# KiCad board popstar_plateless_no_flex_cut.kicad_pcb
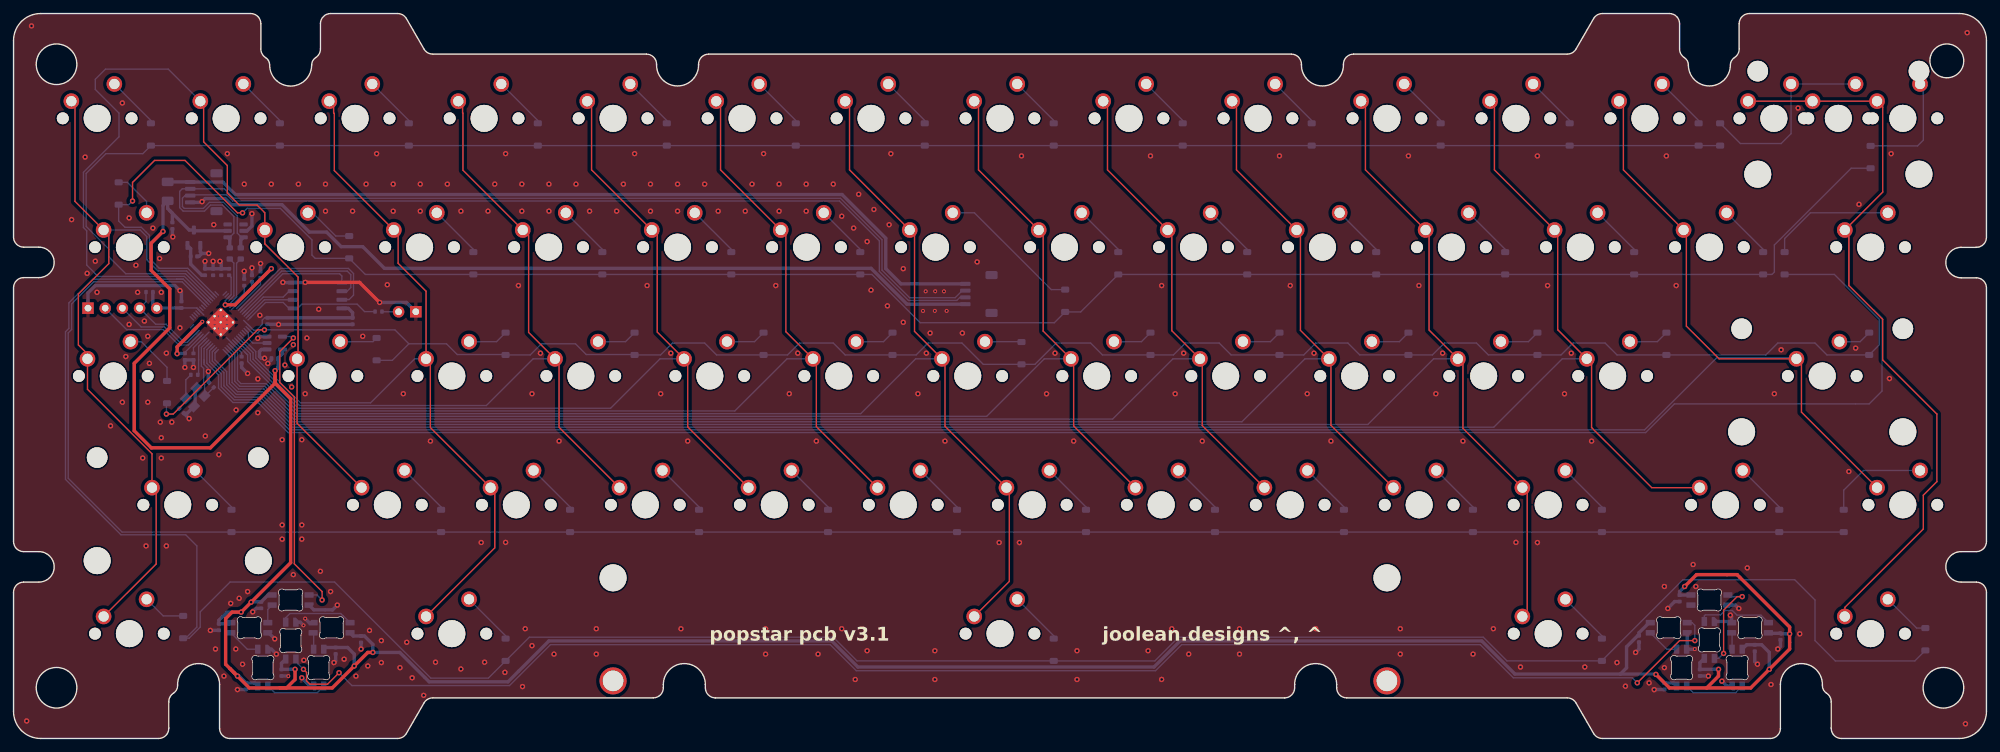
[diagram p0: board, top side]
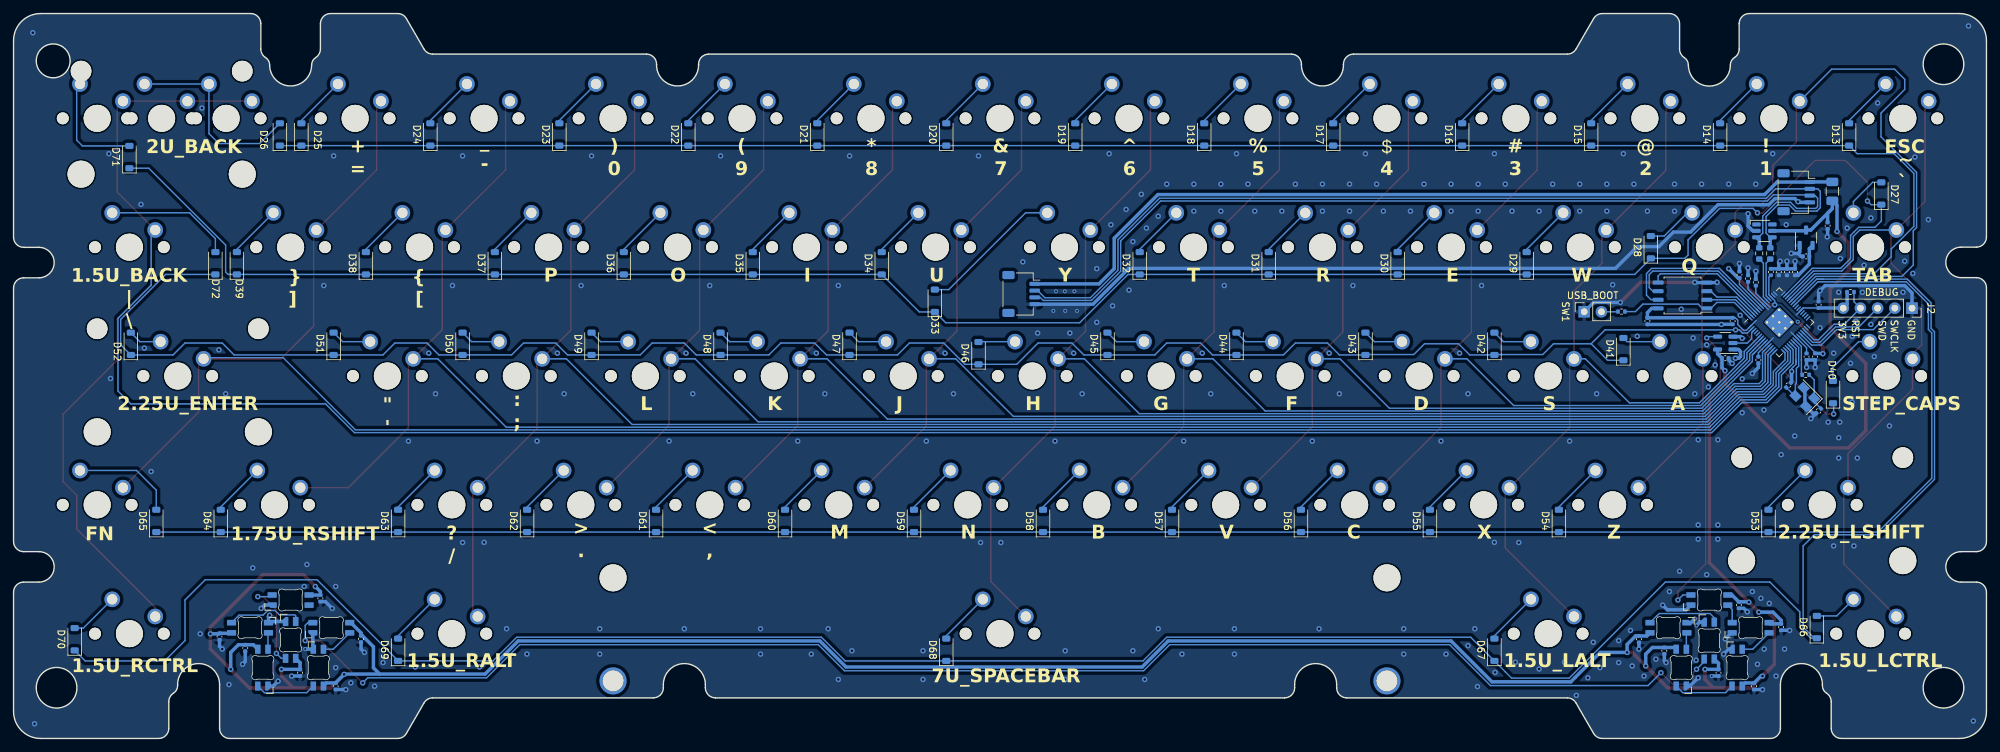
[diagram p1: board, bottom side, seen from below]

Outline 291.4 x 107.2 mm; copper layers: Top, Bottom. Coordinates in mm from the lower left corner of the outline.
Outline path: circle c6.35,7.5 r3 ; circle c6.35,99.7 r3 ; circle c285.05,7.5 r3 ; circle c285.55,100.2 r2.5 ; 0,4 0,21.63 arc(0.44,22.69) 1.5,23.13 3.75,23.13 arc(6,25.38) 3.75,27.63 1.5,27.63 arc(0.44,28.06) 0,29.13 0,66.65 arc(0.44,67.71) 1.5,68.15 3.75,68.15 arc(6,70.4) 3.75,72.65 1.5,72.65 arc(0.44,73.09) 0,74.15 0,103.2 arc(1.17,106.03) 4,107.2 35.03,107.2 arc(36.09,106.76) 36.53,105.7 36.53,101.95 arc(36.71,101.23) 37.23,100.69 arc(37.67,100.22) 37.83,99.59 arc(40.93,96.49) 44.03,99.59 arc(44.19,100.22) 44.63,100.69 arc(45.14,101.23) 45.33,101.95 45.33,105.7 arc(45.77,106.76) 46.83,107.2 56.73,107.2 arc(57.48,107) 58.03,106.45 60.62,101.95 arc(61.17,101.4) 61.92,101.2 93.47,101.2 arc(94.54,100.76) 94.97,99.7 94.97,99.59 arc(98.07,96.49) 101.17,99.59 101.17,99.7 arc(101.61,100.76) 102.67,101.2 188.73,101.2 arc(189.79,100.76) 190.23,99.7 190.23,99.59 arc(193.33,96.49) 196.43,99.59 196.43,99.7 arc(196.86,100.76) 197.93,101.2 229.48,101.2 arc(230.23,101.4) 230.78,101.95 233.37,106.45 arc(233.92,107) 234.67,107.2 244.57,107.2 arc(245.64,106.76) 246.07,105.7 246.07,101.95 arc(246.26,101.23) 246.77,100.69 arc(247.21,100.22) 247.37,99.59 arc(250.47,96.49) 253.57,99.59 arc(253.74,100.22) 254.18,100.69 arc(254.69,101.23) 254.87,101.95 254.87,105.7 arc(255.31,106.76) 256.37,107.2 287.4,107.2 arc(290.23,106.03) 291.4,103.2 291.4,74.12 arc(290.96,73.06) 289.9,72.62 287.65,72.62 arc(285.4,70.37) 287.65,68.12 289.9,68.12 arc(290.96,67.68) 291.4,66.62 291.4,29.13 arc(290.96,28.06) 289.9,27.63 287.65,27.63 arc(285.4,25.38) 287.65,23.13 289.9,23.13 arc(290.96,22.69) 291.4,21.63 291.4,4 arc(290.23,1.17) 287.4,0 269.97,0 arc(268.91,0.44) 268.47,1.5 268.47,5.44 arc(268.28,6.16) 267.77,6.7 arc(267.33,7.17) 267.17,7.8 267.17,7.97 arc(264.07,11.07) 260.97,7.97 260.97,1.5 arc(260.53,0.44) 259.47,0 234.67,0 arc(233.92,0.2) 233.37,0.75 230.78,5.25 arc(230.23,5.8) 229.48,6 196.92,6 arc(195.86,6.44) 195.42,7.5 195.42,7.97 arc(192.32,11.07) 189.22,7.97 189.22,7.5 arc(188.78,6.44) 187.72,6 103.68,6 arc(102.62,6.44) 102.18,7.5 102.18,7.97 arc(99.08,11.07) 95.98,7.97 95.98,7.5 arc(95.54,6.44) 94.48,6 61.92,6 arc(61.17,5.8) 60.62,5.25 58.03,0.75 arc(57.48,0.2) 56.73,0 31.93,0 arc(30.87,0.44) 30.43,1.5 30.43,7.97 arc(27.33,11.07) 24.23,7.97 24.23,7.8 arc(24.07,7.17) 23.63,6.7 arc(23.12,6.16) 22.93,5.44 22.93,1.5 arc(22.49,0.44) 21.43,0 4,0 arc(1.17,1.17) 0,4
Stack: Top 0.035mm / dielectric 1.51mm FR4 er 4.5 / Bottom 0.035mm

## Placement (name value [footprint] x y rotation side)
C1  1uF  [C_0402_1005Metric]  36.48 68.59 90 bottom
C2  100nF  [C_0402_1005Metric]  31.85 68.98 90 bottom
C3  100nF  [C_0402_1005Metric]  25.3 56.46 270 bottom
C4  10uF  [C_0402_1005Metric]  28.28 68.98 90 bottom
C5  1uF  [C_0402_1005Metric]  37.5 61.73 270 bottom
C6  100nF  [C_0402_1005Metric]  29.48 68.98 90 bottom
C7  100nF  [C_0402_1005Metric]  35.21 68.01 90 bottom
C8  100nF  [C_0402_1005Metric]  24.8 64.14 90 bottom
C9  100nF  [C_0402_1005Metric]  26.57 56.46 270 bottom
C10  100nF  [C_0402_1005Metric]  30.68 68.98 90 bottom
C11  100nF  [C_0402_1005Metric]  34.07 67.44 90 bottom
C12  100nF  [C_0402_1005Metric]  33.69 55.98 270 bottom
C13  22pF  [C_0402_1005Metric]  29.24 52.25 315 bottom
C14  22pF  [C_0402_1005Metric]  24.79 48.44 135 bottom
C15  1uF  [C_0402_1005Metric]  23.46 75.83 270 bottom
C16  1uF  [C_0402_1005Metric]  26.64 71.28 0 bottom
C17  100nF  [C_0402_1005Metric]  50.08 61.73 270 bottom
C18  100nF  [C_0402_1005Metric]  38.58 56.23 180 bottom
C19  100nF  [C_0402_1005Metric]  36.58 19.73 270 bottom
C20  100nF  [C_0402_1005Metric]  30.33 16.48 270 bottom
C21  100nF  [C_0402_1005Metric]  34.33 7.73 270 bottom
C22  100nF  [C_0402_1005Metric]  47.58 12.98 270 bottom
C23  100nF  [C_0402_1005Metric]  51.33 14.68 270 bottom
C24  100nF  [C_0402_1005Metric]  39.58 9.73 270 bottom
C25  100nF  [C_0402_1005Metric]  240.08 14.73 270 bottom
C26  100nF  [C_0402_1005Metric]  243.83 7.73 270 bottom
C27  100nF  [C_0402_1005Metric]  257.18 13.38 270 bottom
C28  100nF  [C_0402_1005Metric]  260.98 15.08 270 bottom
C29  100nF  [C_0402_1005Metric]  249.08 9.73 270 bottom
C30  100nF  [C_0402_1005Metric]  246.08 20.73 270 bottom
D1  SK6812MINI-E  [LED_6028R]  40.93 20.48 180 bottom
D2  SK6812MINI-E  [LED_6028R]  34.83 16.38 180 bottom
D3  SK6812MINI-E  [LED_6028R]  36.83 10.48 270 bottom
D4  SK6812MINI-E  [LED_6028R]  45.08 10.48 90 bottom
D5  SK6812MINI-E  [LED_6028R]  46.98 16.38 0 bottom
D6  SK6812MINI-E  [LED_6028R]  40.95 14.48 270 bottom
D7  SK6812MINI-E  [LED_6028R]  244.48 16.38 180 bottom
D8  SK6812MINI-E  [LED_6028R]  246.38 10.48 270 bottom
D9  SK6812MINI-E  [LED_6028R]  254.58 10.48 90 bottom
D10  SK6812MINI-E  [LED_6028R]  256.48 16.38 0 bottom
D11  SK6812MINI-E  [LED_6028R]  250.48 14.58 270 bottom
D12  SK6812MINI-E  [LED_6028R]  250.48 20.48 180 bottom
D13  D_Small  [D_SOD-123]  20.29 89.32 90 bottom
D14  D_Small  [D_SOD-123]  39.34 89.32 90 bottom
D15  D_Small  [D_SOD-123]  58.39 89.32 90 bottom
D16  D_Small  [D_SOD-123]  77.44 89.32 90 bottom
D17  D_Small  [D_SOD-123]  96.49 89.32 90 bottom
D18  D_Small  [D_SOD-123]  115.54 89.32 90 bottom
D19  D_Small  [D_SOD-123]  134.59 89.32 90 bottom
D20  D_Small  [D_SOD-123]  153.64 89.32 90 bottom
D21  D_Small  [D_SOD-123]  172.69 89.32 90 bottom
D22  D_Small  [D_SOD-123]  191.74 89.32 90 bottom
D23  D_Small  [D_SOD-123]  210.79 89.32 90 bottom
D24  D_Small  [D_SOD-123]  229.84 89.32 90 bottom
D25  D_Small  [D_SOD-123]  248.89 89.32 90 bottom
D26  D_Small  [D_SOD-123]  252.06 89.32 90 bottom
D27  D_Small  [D_SOD-123]  15.53 80.59 90 bottom
D28  D_Small  [D_SOD-123]  49.58 72.65 90 bottom
D29  D_Small  [D_SOD-123]  67.91 70.27 90 bottom
D30  D_Small  [D_SOD-123]  86.96 70.27 90 bottom
D31  D_Small  [D_SOD-123]  106.01 70.27 90 bottom
D32  D_Small  [D_SOD-123]  125.06 70.27 90 bottom
D33  D_Small  [D_SOD-123]  155.33 64.73 90 bottom
D34  D_Small  [D_SOD-123]  163.16 70.27 90 bottom
D35  D_Small  [D_SOD-123]  182.21 70.27 90 bottom
D36  D_Small  [D_SOD-123]  201.26 70.27 90 bottom
D37  D_Small  [D_SOD-123]  220.31 70.27 90 bottom
D38  D_Small  [D_SOD-123]  239.36 70.27 90 bottom
D39  D_Small  [D_SOD-123]  258.41 70.27 90 bottom
D40  D_Small  [D_SOD-123]  22.67 51.22 90 bottom
D41  D_Small  [D_SOD-123]  53.63 57.57 90 bottom
D42  D_Small  [D_SOD-123]  72.68 58.36 90 bottom
D43  D_Small  [D_SOD-123]  91.73 58.36 90 bottom
D44  D_Small  [D_SOD-123]  110.78 58.36 90 bottom
D45  D_Small  [D_SOD-123]  129.83 58.36 90 bottom
D46  D_Small  [D_SOD-123]  148.88 56.98 90 bottom
D47  D_Small  [D_SOD-123]  167.93 58.36 90 bottom
D48  D_Small  [D_SOD-123]  186.98 58.36 90 bottom
D49  D_Small  [D_SOD-123]  206.03 58.36 90 bottom
D50  D_Small  [D_SOD-123]  225.08 58.36 90 bottom
D51  D_Small  [D_SOD-123]  244.13 58.36 90 bottom
D52  D_Small  [D_SOD-123]  274.08 58.36 90 bottom
D53  D_Small  [D_SOD-123]  32.19 32.17 90 bottom
D54  D_Small  [D_SOD-123]  63.15 32.17 90 bottom
D55  D_Small  [D_SOD-123]  82.2 32.17 90 bottom
D56  D_Small  [D_SOD-123]  101.25 32.17 90 bottom
D57  D_Small  [D_SOD-123]  120.3 32.17 90 bottom
D58  D_Small  [D_SOD-123]  139.35 32.17 90 bottom
D59  D_Small  [D_SOD-123]  158.4 32.17 90 bottom
D60  D_Small  [D_SOD-123]  177.45 32.17 90 bottom
D61  D_Small  [D_SOD-123]  196.5 32.17 90 bottom
D62  D_Small  [D_SOD-123]  215.55 32.17 90 bottom
D63  D_Small  [D_SOD-123]  234.6 32.17 90 bottom
D64  D_Small  [D_SOD-123]  260.79 32.17 90 bottom
D65  D_Small  [D_SOD-123]  270.32 32.17 90 bottom
D66  D_Small  [D_SOD-123]  25.05 16.48 90 bottom
D67  D_Small  [D_SOD-123]  72.68 13.12 90 bottom
D68  D_Small  [D_SOD-123]  153.64 13.12 90 bottom
D69  D_Small  [D_SOD-123]  234.6 13.12 90 bottom
D70  D_Small  [D_SOD-123]  282.38 14.68 90 bottom
D71  D_Small  [D_SOD-123]  274.29 85.98 90 bottom
D72  D_Small  [D_SOD-123]  261.59 70.27 90 bottom
F1  500mA  [Fuse_1206_3216Metric]  22.76 80.91 270 bottom
J1  JST SH 4-pin  [JST_SH_SM04B-SRSS-TB_1x04-1MP_P1.00mm_Horizontal]  142.58 65.73 270 bottom
J1#2  JST SH 4-pin  [JST_SH_SM04B-SRSS-TB_1x04-1MP_P1.00mm_Horizontal]  28.1 80.78 270 bottom
J2  SWD  [PinSocket_1x05_P2.54mm_Vertical]  11 63.63 270 bottom
R1  10k  [R_0402_1005Metric]  20.08 66.01 180 bottom
R2  27R  [R_0603_1608Metric]  33.56 71.73 270 bottom
R3  27R  [R_0603_1608Metric]  31.94 71.73 270 bottom
R4  1k  [R_0402_1005Metric]  26.7 53.78 0 bottom
R5  1k  [R_0402_1005Metric]  53.91 63.13 180 bottom
S1  2U_BACKSPACE  [STAB_MX_2u]  269.53 91.7 0 top
S2  2.25_ANSI_ENTER  [STAB_MX_2.25u]  267.14 53.6 0 top
S3  7U_SPACEBAR  [STAB_MX_P_7u]  145.7 15.5 180 top
S4  2.25_LEFT_SHIFT  [STAB_MX_2.25u]  24.26 34.55 0 top
SW1  Boot  [PinSocket_1x02_P2.54mm_Vertical]  59.41 63.1 90 bottom
SW2  MX_SW_solder  [SW_MX_1u]  12.35 91.7 0 top
SW3  MX_SW_solder  [SW_MX_1u]  31.4 91.7 0 top
SW4  MX_SW_solder  [SW_MX_1u]  50.45 91.7 0 top
SW5  MX_SW_solder  [SW_MX_1u]  69.5 91.7 0 top
SW6  MX_SW_solder  [SW_MX_1u]  88.55 91.7 0 top
SW7  MX_SW_solder  [SW_MX_1u]  107.6 91.7 0 top
SW8  MX_SW_solder  [SW_MX_1u]  126.65 91.7 0 top
SW9  MX_SW_solder  [SW_MX_1u]  145.7 91.7 0 top
SW10  MX_SW_solder  [SW_MX_1u]  164.75 91.7 0 top
SW11  MX_SW_solder  [SW_MX_1u]  183.8 91.7 0 top
SW12  MX_SW_solder  [SW_MX_1u]  202.85 91.7 0 top
SW13  MX_SW_solder  [SW_MX_1u]  221.9 91.7 0 top
SW14  MX_SW_solder  [SW_MX_1u]  240.95 91.7 0 top
SW15  MX_SW_solder  [SW_MX_1u]  269.53 91.7 0 top
SW16  MX_SW_solder  [SW_MX_1u]  260 91.7 0 top
SW17  MX_SW_solder  [SW_MX_1.5u]  17.11 72.65 0 top
SW18  MX_SW_solder  [SW_MX_1u]  40.93 72.65 0 top
SW19  MX_SW_solder  [SW_MX_1u]  59.98 72.65 0 top
SW20  MX_SW_solder  [SW_MX_1u]  79.03 72.65 0 top
SW21  MX_SW_solder  [SW_MX_1u]  98.08 72.65 0 top
SW22  MX_SW_solder  [SW_MX_1u]  117.13 72.65 0 top
SW23  MX_SW_solder  [SW_MX_1u]  136.18 72.65 0 top
SW24  MX_SW_solder  [SW_MX_1u]  155.23 72.65 0 top
SW25  MX_SW_solder  [SW_MX_1u]  174.28 72.65 0 top
SW26  MX_SW_solder  [SW_MX_1u]  193.33 72.65 0 top
SW27  MX_SW_solder  [SW_MX_1u]  212.38 72.65 0 top
SW28  MX_SW_solder  [SW_MX_1u]  231.43 72.65 0 top
SW29  MX_SW_solder  [SW_MX_1u]  250.48 72.65 0 top
SW30  MX_SW_solder  [SW_MX_1.75u_stp]  14.73 53.6 0 top
SW31  MX_SW_solder  [SW_MX_1u]  45.69 53.6 0 top
SW32  MX_SW_solder  [SW_MX_1u]  64.74 53.6 0 top
SW33  MX_SW_solder  [SW_MX_1u]  83.79 53.6 0 top
SW34  MX_SW_solder  [SW_MX_1u]  102.84 53.6 0 top
SW35  MX_SW_solder  [SW_MX_1u]  121.89 53.6 0 top
SW36  MX_SW_solder  [SW_MX_1u]  140.94 53.6 0 top
SW37  MX_SW_solder  [SW_MX_1u]  159.99 53.6 0 top
SW38  MX_SW_solder  [SW_MX_1u]  179.04 53.6 0 top
SW39  MX_SW_solder  [SW_MX_1u]  198.09 53.6 0 top
SW40  MX_SW_solder  [SW_MX_1u]  217.14 53.6 0 top
SW41  MX_SW_solder  [SW_MX_1u]  236.19 53.6 0 top
SW42  MX_SW_solder  [SW_MX_1u]  267.14 53.6 0 top
SW43  MX_SW_solder  [SW_MX_1u]  24.26 34.55 0 top
SW44  MX_SW_solder  [SW_MX_1u]  55.21 34.55 0 top
SW45  MX_SW_solder  [SW_MX_1u]  74.26 34.55 0 top
SW46  MX_SW_solder  [SW_MX_1u]  93.31 34.55 0 top
SW47  MX_SW_solder  [SW_MX_1u]  112.36 34.55 0 top
SW48  MX_SW_solder  [SW_MX_1u]  131.41 34.55 0 top
SW49  MX_SW_solder  [SW_MX_1u]  150.46 34.55 0 top
SW50  MX_SW_solder  [SW_MX_1u]  169.51 34.55 0 top
SW51  MX_SW_solder  [SW_MX_1u]  188.56 34.55 0 top
SW52  MX_SW_solder  [SW_MX_1u]  207.61 34.55 0 top
SW53  MX_SW_solder  [SW_MX_1u]  226.66 34.55 0 top
SW54  MX_SW_solder  [SW_MX_1.75u]  252.86 34.55 0 top
SW55  MX_SW_solder  [SW_MX_1u]  279.05 34.55 0 top
SW56  MX_SW_solder  [SW_MX_1.5u]  17.11 15.5 0 top
SW57  MX_SW_solder  [SW_MX_1.5u]  64.74 15.5 0 top
SW58  MX_SW_solder  [SW_MX_1u]  145.7 15.5 0 top
SW59  MX_SW_solder  [SW_MX_1.5u]  226.66 15.5 0 top
SW60  MX_SW_solder  [SW_MX_1.5u]  274.29 15.5 0 top
SW61  MX_SW_solder  [SW_MX_1u]  279.05 91.7 0 top
SW62  MX_SW_solder  [SW_MX_1.5u]  274.29 72.65 0 top
U2  XC6206PxxxMR  [SOT-23-3]  26.64 74.05 90 bottom
U3  SRV05-4  [SOT-23-6-routable]  32.8 75.06 180 bottom
U4  W25Q128JVS  [SOIC-8_5.23x5.23mm_P1.27mm]  44.89 65.51 0 bottom
U5  74AHCT1G125  [SOT-23-5]  38.58 58.48 0 bottom
U6  RP2040  [RP2040-QFN-56]  30.61 61.54 135 bottom
Y1  12MHz  [Crystal_SMD_3225-4Pin_3.2x2.5mm]  26.83 50.48 45 bottom

## Library data of the parts
C1 C5 C15 C16 = -: Description: Unpolarized capacitor, small symbol; LCSC: C52923
C2 C3 C6 C9-C12 C17-C30 = -: Description: Unpolarized capacitor, small symbol; LCSC: C1525
C4 = -: Description: Unpolarized capacitor, small symbol; LCSC: C15525
C7 C8 = -: Description: Unpolarized capacitor, small symbol; LCSC: 1525
C13 C14 = -: Description: Unpolarized capacitor, small symbol; LCSC: C1555
D1-D12 = -: Description: Reverse mount adressable LED (WS2812 protocol); LCSC: C5149201; Field5: 1
D13-D72 = -: Description: Diode, small symbol; LCSC: C81598
F1 = -: Description: Resettable fuse, polymeric positive temperature coefficient, small symbol; LCSC: C135342
J1 J1#2 = -: Description: Generic connector, single row, 01x04, script generated (kicad-library-utils/schlib/autogen/connector/); LCSC: C160404
J2 = -: Description: Generic connector, single row, 01x05, script generated (kicad-library-utils/schlib/autogen/connector/)
R1 = -: Description: Resistor, small symbol; LCSC: C25744
R2 R3 = -: Description: Resistor, small symbol; LCSC: C25190
R4 R5 = -: Description: Resistor, small symbol; LCSC: C11702
S1-S4 = -: Description: Cherry MX-style stabilizer
SW1 = -: Description: Push button switch, generic, two pins
SW2-SW62 = -: Description: Push button switch, normally open, two pins, 45° tilted
U2 = -: Description: Positive 60-250mA Low Dropout Regulator, Fixed Output, SOT-23; LCSC: C5446
U3 = -: Description: ESD Protection Diodes with Low Clamping Voltage, SOT-23-6; LCSC: C85364
U4 = -: Description: 128Mb Serial Flash Memory, Standard/Dual/Quad SPI, SOIC-8; LCSC: C97521
U5 = -: Description: Single Buffer Gate Tri-State, Low-Voltage CMOS; LCSC: C7484
U6 = -: LCSC: C2040
Y1 = -: Description: Four pin crystal, GND on pins 2 and 4, small symbol; LCSC: C9002

## Footprints (pads in the part's own frame, mm; a bottom-side part is the same pattern mirrored in y, then rotated)
C_0402_1005Metric
  rrect 0.56x0.62 smd: 1(-0.48,0) 2(0.48,0)
Crystal_SMD_3225-4Pin_3.2x2.5mm
  rect 1.4x1.2 smd: 1(-1.1,-0.85) 2(1.1,-0.85) 3(1.1,0.85) 4(-1.1,0.85)
D_SOD-123
  rrect 0.9x1.2 smd: 1(-1.65,0) 2(1.65,0)
Fuse_1206_3216Metric
  rrect 1.25x1.75 smd: 1(-1.4,0) 2(1.4,0)
JST_SH_SM04B-SRSS-TB_1x04-1MP_P1.00mm_Horizontal
  rrect 0.6x1.55 smd: 1(-1.5,2) 2(-0.5,2) 3(0.5,2) 4(1.5,2)
  rrect 1.2x1.8 smd: MP(-2.8,-1.875) MP(2.8,-1.875)
LED_6028R
  rrect 1.35x0.82 smd: 1(2.725,0.75) 2(2.725,-0.75) 3(-2.725,0.75) 4(-2.725,-0.75)
PinSocket_1x02_P2.54mm_Vertical
  rect 1.7x1.7 hole 1: 1(0,0)
  oval 1.7x1.7 hole 1: 2(0,-2.54)
PinSocket_1x05_P2.54mm_Vertical
  rect 1.7x1.7 hole 1: 1(0,0)
  oval 1.7x1.7 hole 1: 2(0,-2.54) 3(0,-5.08) 4(0,-7.62) 5(0,-10.16)
R_0402_1005Metric
  rrect 0.54x0.64 smd: 1(-0.51,0) 2(0.51,0)
R_0603_1608Metric
  rrect 0.8x0.95 smd: 1(-0.825,0) 2(0.825,0)
RP2040-QFN-56
  rrect 1.084x1.084 smd: (-0.637,-0.637) (-0.637,0.637) (0.637,-0.637) (0.637,0.637)
  rrect 0.875x0.2 smd: 1(-3.438,2.6) 2(-3.438,2.2) 3(-3.438,1.8) 4(-3.438,1.4) 5(-3.438,1) 6(-3.438,0.6) 7(-3.438,0.2) 8(-3.438,-0.2) 9(-3.438,-0.6) 10(-3.438,-1) 11(-3.438,-1.4) 12(-3.438,-1.8) 13(-3.438,-2.2) 14(-3.438,-2.6) 29(3.438,-2.6) 30(3.438,-2.2) 31(3.438,-1.8) 32(3.438,-1.4) 33(3.438,-1) 34(3.438,-0.6) 35(3.438,-0.2) 36(3.438,0.2) 37(3.438,0.6) 38(3.438,1) 39(3.438,1.4) 40(3.438,1.8) 41(3.438,2.2) 42(3.438,2.6)
  rrect 0.2x0.875 smd: 15(-2.6,-3.438) 16(-2.2,-3.438) 17(-1.8,-3.438) 18(-1.4,-3.438) 19(-1,-3.438) 20(-0.6,-3.438) 21(-0.2,-3.438) 22(0.2,-3.438) 23(0.6,-3.438) 24(1,-3.438) 25(1.4,-3.438) 26(1.8,-3.438) 27(2.2,-3.438) 28(2.6,-3.438) 43(2.6,3.438) 44(2.2,3.438) 45(1.8,3.438) 46(1.4,3.438) 47(1,3.438) 48(0.6,3.438) 49(0.2,3.438) 50(-0.2,3.438) 51(-0.6,3.438) 52(-1,3.438) 53(-1.4,3.438) 54(-1.8,3.438) 55(-2.2,3.438) 56(-2.6,3.438)
  round 0.6 hole 0.35: 57(-1.275,-1.275) 57(-1.275,0) 57(-1.275,1.275) 57(0,-1.275) 57(0,0) 57(0,1.275) 57(1.275,-1.275) 57(1.275,0) 57(1.275,1.275)
  rrect 3.2x3.2 smd: 57(0,0)
SOIC-8_5.23x5.23mm_P1.27mm
  rrect 1.6x0.6 smd: 1(-3.6,1.905) 2(-3.6,0.635) 3(-3.6,-0.635) 4(-3.6,-1.905) 5(3.6,-1.905) 6(3.6,-0.635) 7(3.6,0.635) 8(3.6,1.905)
SOT-23-3
  rrect 1.325x0.6 smd: 1(-1.137,0.95) 2(-1.137,-0.95) 3(1.137,0)
SOT-23-5
  rrect 1.325x0.6 smd: 1(-1.137,0.95) 2(-1.137,0) 3(-1.137,-0.95) 4(1.137,-0.95) 5(1.137,0.95)
SOT-23-6-routable
  rrect 1.25x0.6 smd: 1(-1.175,0.95) 2(-1.175,0) 3(-1.175,-0.95) 4(1.175,-0.95) 5(1.175,0) 6(1.175,0.95)
STAB_MX_2.25u
  round 3.048 hole 3.048 unplated: (-11.906,6.985) (11.906,6.985)
  round 3.988 hole 3.988 unplated: (-11.906,-8.255) (11.906,-8.255)
STAB_MX_2u
  round 3.048 hole 3.048 unplated: (-11.906,6.985) (11.906,6.985)
  round 3.988 hole 3.988 unplated: (-11.906,-8.255) (11.906,-8.255)
STAB_MX_P_7u
  round 4 hole 3.048: (-57.15,6.985) (57.15,6.985)
  round 3.988 hole 3.988 unplated: (-57.15,-8.255) (57.15,-8.255)
SW_MX_1.5u
  round 1.75 hole 1.75 unplated: (-5.08,0) (5.08,0)
  round 3.988 hole 3.988 unplated: (0,0)
  round 2.3 hole 1.524: 1(-3.81,2.54) 2(2.54,5.08)
SW_MX_1.75u
  round 1.75 hole 1.75 unplated: (-5.08,0) (5.08,0)
  round 3.988 hole 3.988 unplated: (0,0)
  round 2.3 hole 1.524: 1(-3.81,2.54) 2(2.54,5.08)
SW_MX_1.75u_stp
  round 1.75 hole 1.75 unplated: (-5.08,0) (5.08,0)
  round 3.988 hole 3.988 unplated: (0,0)
  round 2.3 hole 1.524: 1(-3.81,2.54) 2(2.54,5.08)
SW_MX_1u
  round 1.75 hole 1.75 unplated: (-5.08,0) (5.08,0)
  round 3.988 hole 3.988 unplated: (0,0)
  round 2.3 hole 1.524: 1(-3.81,2.54) 2(2.54,5.08)

## Nets
5V: C15.1 C18.1 C19.1 C20.1 C21.1 C22.1 C23.1 C24.1 C25.1 C26.1 C27.1 C28.1 C29.1 C30.1 D1.1 D2.1 D3.1 D4.1 D5.1 D6.1 D7.1 D8.1 D9.1 D10.1 D11.1 D12.1 F1.2 U2.3 U3.5 U5.5
+1V1: C1.1 C2.1 C3.1 U6.23 U6.45 U6.50
+3V3: C4.1 C5.1 C6.1 C7.1 C8.1 C9.1 C10.1 C11.1 C12.1 C16.1 C17.1 J2.5 R1.1 U2.2 U4.8 U6.1 U6.10 U6.22 U6.33 U6.42 U6.43 U6.44 U6.48 U6.49
GND: C1.2 C2.2 C3.2 C4.2 C5.2 C6.2 C7.2 C8.2 C9.2 C10.2 C11.2 C12.2 C13.1 C14.1 C15.2 C16.2 C17.2 C18.2 C19.2 C20.2 C21.2 C22.2 C23.2 C24.2 C25.2 C26.2 C27.2 C28.2 C29.2 C30.2 D1.4 D2.4 D3.4 D4.4 D5.4 D6.4 D7.4 D8.4 D9.4 D10.4 D11.4 D12.4 J1.4 J1#2.4 J2.1 SW1.1 U2.1 U3.2 U4.4 U5.1 U5.3 U6.19 U6.57 Y1.2 Y1.4
VBUS: F1.1 J1.1 J1#2.1
/D_+: R2.2 U6.47
/D_-: R3.2 U6.46
/XTAL_O: C14.2 R4.1 Y1.1
/~{USB_BOOT}: R5.1 SW1.2
ARGB_3V3: U5.2 U6.3
ARGB_5V: D1.3 U5.4
COL00: SW2.1 SW17.1 SW30.1 SW43.1 SW56.1 U6.40
COL01: SW3.1 SW18.1 SW31.1 SW44.1 U6.38
COL02: SW4.1 SW19.1 SW32.1 SW45.1 SW57.1 U6.6
COL03: SW5.1 SW20.1 SW33.1 SW46.1 U6.7
COL04: SW6.1 SW21.1 SW34.1 SW47.1 U6.8
COL05: SW7.1 SW22.1 SW35.1 SW48.1 U6.9
COL06: SW8.1 SW23.1 SW36.1 SW49.1 SW58.1 U6.11
COL07: SW9.1 SW24.1 SW37.1 SW50.1 U6.12
COL08: SW10.1 SW25.1 SW38.1 SW51.1 U6.13
COL09: SW11.1 SW26.1 SW39.1 SW52.1 U6.14
COL10: SW12.1 SW27.1 SW40.1 SW53.1 SW59.1 U6.15
COL11: SW13.1 SW28.1 SW41.1 SW54.1 U6.16
COL12: SW14.1 SW29.1 SW42.1 SW55.1 U6.17
COL13: SW15.1 SW16.1 SW60.1 SW61.1 SW62.1 U6.18
CS: R5.2 U4.1 U6.56
D_N: J1.2 J1#2.2 R3.1 U3.4
D_P: J1.3 J1#2.3 R2.1 U3.3
QSPI_CLK: U4.6 U6.52
ROW0: D13.1 D14.1 D15.1 D16.1 D17.1 D18.1 D19.1 D20.1 D21.1 D22.1 D23.1 D24.1 D25.1 D26.1 U6.39
ROW1: D27.1 D28.1 D29.1 D30.1 D31.1 D32.1 D33.1 D34.1 D35.1 D36.1 D37.1 D38.1 D39.1 D71.1 U6.41
ROW2: D40.1 D41.1 D42.1 D43.1 D44.1 D45.1 D46.1 D47.1 D48.1 D49.1 D50.1 D51.1 D52.1 D72.1 U6.2
ROW3: D53.1 D54.1 D55.1 D56.1 D57.1 D58.1 D59.1 D60.1 D61.1 D62.1 D63.1 D64.1 D65.1 U6.36
ROW4: D66.1 D67.1 D68.1 D69.1 D70.1 U6.37
SD0: U4.5 U6.53
SD1: U4.2 U6.55
SD2: U4.3 U6.54
SD3: U4.7 U6.51
SWCLK: J2.2 U6.24
SWD: J2.3 U6.25
XTAL_IN: C13.2 U6.20 Y1.3
XTAL_OUT: R4.2 U6.21
~{RESET}: J2.4 R1.2 U6.26
Net-(D1-DOUT): D1.2 D2.3
Net-(D2-DOUT): D2.2 D3.3
Net-(D3-DOUT): D3.2 D4.3
Net-(D4-DOUT): D4.2 D5.3
Net-(D5-DOUT): D5.2 D6.3
Net-(D6-DOUT): D6.2 D7.3
Net-(D7-DOUT): D7.2 D8.3
Net-(D8-DOUT): D8.2 D9.3
Net-(D10-DIN): D9.2 D10.3
Net-(D10-DOUT): D10.2 D11.3
Net-(D11-DOUT): D11.2 D12.3
Net-(D13-A): D13.2 SW2.2
Net-(D14-A): D14.2 SW3.2
Net-(D15-A): D15.2 SW4.2
Net-(D16-A): D16.2 SW5.2
Net-(D17-A): D17.2 SW6.2
Net-(D18-A): D18.2 SW7.2
Net-(D19-A): D19.2 SW8.2
Net-(D20-A): D20.2 SW9.2
Net-(D21-A): D21.2 SW10.2
Net-(D22-A): D22.2 SW11.2
Net-(D23-A): D23.2 SW12.2
Net-(D24-A): D24.2 SW13.2
Net-(D25-A): D25.2 SW14.2
Net-(D26-A): D26.2 SW15.2 SW16.2
Net-(D27-A): D27.2 SW17.2
Net-(D28-A): D28.2 SW18.2
Net-(D29-A): D29.2 SW19.2
Net-(D30-A): D30.2 SW20.2
Net-(D31-A): D31.2 SW21.2
Net-(D32-A): D32.2 SW22.2
Net-(D33-A): D33.2 SW23.2
Net-(D34-A): D34.2 SW24.2
Net-(D35-A): D35.2 SW25.2
Net-(D36-A): D36.2 SW26.2
Net-(D37-A): D37.2 SW27.2